# KiCad board 4-ch-backplane.kicad_pcb (continued)
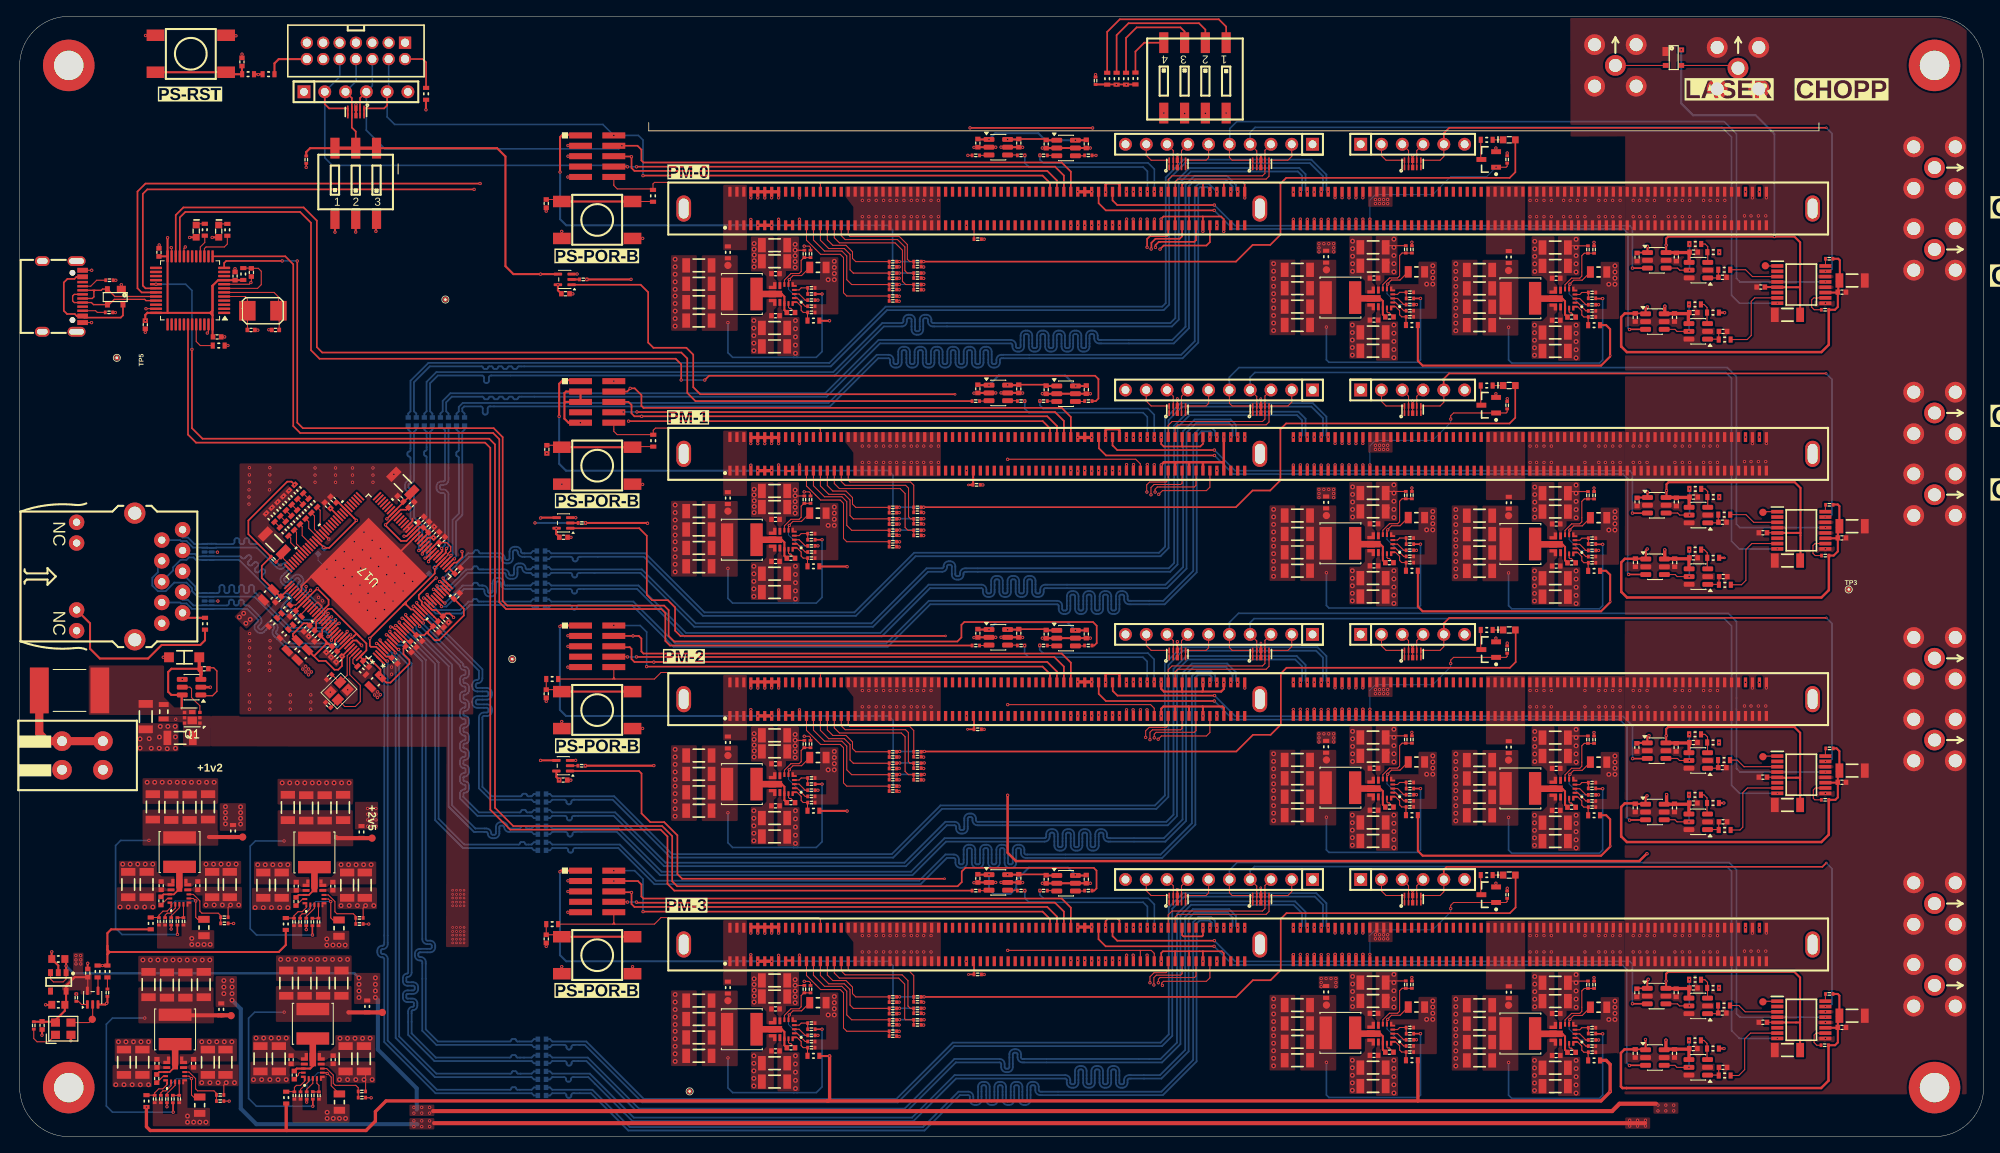
[diagram p0: board, top side]
## Routing (per net, layer and track width the routed paths; a pad name or vN(x,y) marks a point on that pad's centre or on a via; arc(x,y) is an arc through that point) (continued)
Net-(U24-SYNC/FSEL): length 3.3
  Top Layer w0.12: R121.2 191.67,70.16 R124.2 191.15,70.19 190.9,70.44 190.9,70.94 190.4,71.44 U24.1
Net-(U25-BOOT): length 1.5
  Top Layer w0.12: U25.14 93.95,71.36 94.07,71.25 94.24,71.25 C166.2
Net-(U25-BP5): length 9.5
  Top Layer w0.12: C46.2 95.55,75.25 94.5,75.25 93.95,74.7 U25.6 ; R53.2 v1(97.55,72.25)
  Bottom Layer w0.12: v1(97.55,72.25) 95.28,72.25 93.95,73.58 93.95,74.65 v1(94.05,74.75)
Net-(U25-EN): length 5.6
  Top Layer w0.12: U25.7 93.45,74.7 94.25,75.5 95.25,75.5 95.5,75.75 95.5,77.11 95.84,77.45 ; R21.2 R43.1
Net-(U25-PGOOD): length 1.9
  Top Layer w0.12: R53.1 96,72.25 95.25,73 U25.3
Net-(U25-SYNC/FSEL): length 3.3
  Top Layer w0.12: U25.1 95,72 95.5,71.5 95.5,71 95.75,70.75 R125.2 96.28,70.72 R132.2
Net-(U27-B): length 6.4
  Top Layer w0.12: v1(203.99,38.5) 202.52,38.5 202.27,38.75 U27.4
  Bottom Layer w0.2: 204,41.79 204,38.5
  vias: v1(204,41.8)
Net-(U28-B): length 6.1
  Top Layer w0.12: R163.2 v1(204.04,49.2) ; U28.4 202.59,46.25 202.84,46 U29.5
  Bottom Layer w0.2: 204.04,46 204.04,49.2
  vias: v1(204.04,46)
Net-(U29-+): length 2.9
  Top Layer w0.12: R163.1 205.94,49.2 206.26,48.88 U29.3
Net-(U29--): length 2.3
  Top Layer w0.12: R229.2 207.55,45.14 C332.2 207.49,45.05 U29.1 ; 207.61,45.92 207.64,45.95
Net-(U30-BOOT): length 1.5
  Top Layer w0.12: U30.14 167.09,40.94 167.2,40.82 167.37,40.82 C246.2
Net-(U30-BP5): length 9.5
  Top Layer w0.12: R181.2 v1(170.69,41.82) ; U30.6 167.09,44.27 167.64,44.82 168.69,44.82 C253.2
  Bottom Layer w0.12: v1(170.69,41.82) 168.42,41.82 167.09,43.15 167.09,44.22 v1(167.19,44.32)
Net-(U30-EN): length 7.1
  Top Layer w0.12: R180.2 R175.1 168.94,48.12 168.64,47.82 168.64,45.32 168.39,45.07 167.39,45.07 166.59,44.27 U30.7
Net-(U30-PGOOD): length 1.9
  Top Layer w0.12: U30.3 168.39,42.57 169.14,41.82 R181.1
Net-(U30-SYNC/FSEL): length 3.3
  Top Layer w0.12: U30.1 168.14,41.57 168.64,41.07 168.64,40.57 168.89,40.32 R169.2 169.41,40.29 R167.2
Net-(U31-BOOT): length 1.5
  Top Layer w0.12: U31.14 189.35,40.92 189.46,40.8 189.63,40.8 C247.2
Net-(U31-BP5): length 9.5
  Top Layer w0.12: C249.2 190.95,44.8 189.9,44.8 189.35,44.25 U31.6 ; R182.2 v1(192.95,41.8)
  Bottom Layer w0.12: v1(192.95,41.8) 190.68,41.8 189.35,43.13 189.35,44.2 v1(189.45,44.3)
Net-(U31-EN): length 7.1
  Top Layer w0.12: U31.7 188.85,44.25 189.65,45.05 190.65,45.05 190.9,45.3 190.9,47.8 191.2,48.1 R176.1 R178.2
Net-(U31-PGOOD): length 1.9
  Top Layer w0.12: U31.3 190.65,42.55 191.4,41.8 R182.1
Net-(U31-SYNC/FSEL): length 3.3
  Top Layer w0.12: U31.1 190.4,41.55 190.9,41.05 190.9,40.55 191.15,40.3 R170.2 191.67,40.27 R168.2
Net-(U32-BOOT): length 1.5
  Top Layer w0.12: U32.14 93.95,41.48 94.07,41.36 94.24,41.36 C248.2
Net-(U32-BP5): length 9.5
  Top Layer w0.12: R183.2 v1(97.55,42.36) ; C250.2 95.55,45.36 94.5,45.36 93.95,44.81 U32.6
  Bottom Layer w0.12: v1(94.05,44.86) 93.95,44.76 93.95,43.69 95.28,42.36 v1(97.55,42.36)
Net-(U32-EN): length 5.6
  Top Layer w0.12: 95.84,47.56 95.5,47.22 95.5,45.86 95.25,45.61 94.25,45.61 93.45,44.81 U32.7 ; R179.2 R177.1
Net-(U32-PGOOD): length 1.9
  Top Layer w0.12: U32.3 95.25,43.11 96,42.36 R183.1
Net-(U32-SYNC/FSEL): length 3.3
  Top Layer w0.12: R166.2 96.28,40.83 R171.2 95.75,40.86 95.5,41.11 95.5,41.61 95,42.11 U32.1
Net-(U33-B): length 6.4
  Top Layer w0.12: U33.4 202.27,8.72 202.52,8.47 v1(203.99,8.47)
  Bottom Layer w0.12: 204,8.49 v1(203.99,8.47)
  Bottom Layer w0.2: v1(204,11.78) 204,8.49
Net-(U34-B): length 6.1
  Top Layer w0.12: U34.4 202.59,16.24 202.84,15.99 U35.5 ; R201.2 v1(204.04,19.19)
  Bottom Layer w0.2: 204.04,16 204.04,19.2
  vias: v1(204.04,15.99)
Net-(U35-+): length 2.9
  Top Layer w0.12: U35.3 206.26,18.86 205.94,19.19 R201.1
Net-(U35--): length 2.3
  Top Layer w0.12: U35.1 207.49,15.04 C333.2 207.55,15.13 R230.2 ; 207.61,15.91 207.64,15.94
Net-(U36-BOOT): length 1.5
  Top Layer w0.12: U36.14 167.09,10.96 167.2,10.84 167.37,10.84 C291.2
Net-(U36-BP5): length 9.5
  Top Layer w0.12: R219.2 v1(170.69,11.84) ; C296.2 168.69,14.84 167.64,14.84 167.09,14.29 U36.6
  Bottom Layer w0.12: v1(167.19,14.34) 167.09,14.24 167.09,13.17 168.42,11.84 v1(170.69,11.84)
Net-(U36-EN): length 7.1
  Top Layer w0.12: U36.7 166.59,14.29 167.39,15.09 168.39,15.09 168.64,15.34 168.64,17.84 168.94,18.14 R213.1 R218.2
Net-(U36-PGOOD): length 1.9
  Top Layer w0.12: R219.1 169.14,11.84 168.39,12.59 U36.3
Net-(U36-SYNC/FSEL): length 3.3
  Top Layer w0.12: U36.1 168.14,11.59 168.64,11.09 168.64,10.59 168.89,10.34 R207.2 169.41,10.32 R205.2
Net-(U37-BOOT): length 1.5
  Top Layer w0.12: U37.14 189.35,10.94 189.46,10.82 189.63,10.82 C292.2
Net-(U37-BP5): length 9.5
  Top Layer w0.12: R220.2 v1(192.95,11.82) ; U37.6 189.35,14.27 189.9,14.82 190.95,14.82 C294.2
  Bottom Layer w0.12: v1(189.45,14.32) 189.35,14.22 189.35,13.15 190.68,11.82 v1(192.95,11.82)
Net-(U37-EN): length 7.1
  Top Layer w0.12: R216.2 R214.1 191.2,18.12 190.9,17.82 190.9,15.32 190.65,15.07 189.65,15.07 188.85,14.27 U37.7
Net-(U37-PGOOD): length 1.9
  Top Layer w0.12: U37.3 190.65,12.57 191.4,11.82 R220.1
Net-(U37-SYNC/FSEL): length 3.3
  Top Layer w0.12: R206.2 191.67,10.3 R208.2 191.15,10.32 190.9,10.57 190.9,11.07 190.4,11.57 U37.1
Net-(U38-BOOT): length 1.5
  Top Layer w0.12: C293.2 94.24,11.38 94.07,11.38 93.95,11.5 U38.14
Net-(U38-BP5): length 9.5
  Top Layer w0.12: C295.2 95.55,15.38 94.5,15.38 93.95,14.83 U38.6 ; R221.2 v1(97.55,12.38)
  Bottom Layer w0.12: v1(97.55,12.38) 95.28,12.38 93.95,13.72 93.95,14.79 v1(94.05,14.88)
Net-(U38-EN): length 5.6
  Top Layer w0.12: R217.2 R215.1 ; U38.7 93.45,14.83 94.25,15.63 95.25,15.63 95.5,15.88 95.5,17.24 95.84,17.59
Net-(U38-PGOOD): length 1.9
  Top Layer w0.12: R221.1 96,12.38 95.25,13.13 U38.3
Net-(U38-SYNC/FSEL): length 3.3
  Top Layer w0.12: R204.2 96.28,10.86 R209.2 95.75,10.88 95.5,11.13 95.5,11.63 95,12.13 U38.1
Net-(U39-A): length 1
  Top Layer w0.25: R318.2 U39.2
Net-(U40-A): length 1
  Top Layer w0.2: R319.2 U40.2
Net-(U41-A): length 1
  Top Layer w0.12: R320.2 U41.2
Net-(U42-RESET): length 8.7
  Top Layer w0.12: U42.7 29.07,103.74 29.53,104.19 29.53,105.83 29.16,106.19 28.32,106.19 C318.2 28.28,106.21 R140.1
Net-(U42-RX_S): length 2.8
  Top Layer w0.12: R302.1 22.62,109.35 22.07,108.8 U42.16
Net-(U42-TEST): length 4.3
  Top Layer w0.12: R8.2 22.07,96.74 21.57,97.24 U42.44
Net-(U42-TX_S): length 5
  Top Layer w0.12: R301.1 25.38,109.17 25.01,108.8 22.78,108.8 22.57,108.6 U42.15
Net-(U42-UD+): length 12.6
  Top Layer w0.158: USB2.A6 6.67,103 6.47,102.8 6.47,102.2 6.67,102 USB2.B6 8.78,102 9.03,101.75 U51.3 10.93,101.75 11.56,102.39 15.29,102.39 15.44,102.24 U42.33 16.66,102.24
Net-(U42-UD-): length 11.9
  Top Layer w0.158: 8.97,103.5 9.17,103.5 ; 8.97,103.5 USB2.B7 ; 8.97,103.5 9.08,103.4 ; 9.17,103.5 9.08,103.4 ; 9.17,103.5 9.97,103.5 10.12,103.65 U51.2 11.63,102.74 U42.32 ; 9.08,103.4 9.08,102.7 8.88,102.5 USB2.A7
Net-(U42-XI): length 6.8
  Top Layer w0.12: C316.2 27.84,100.99 X1.1 27.82,102.5 27.59,102.74 U42.5
Net-(U42-XO): length 10.9
  Top Layer w0.12: C317.2 31.72,100.91 X1.2 31.62,102.7 31.09,103.24 U42.6
Net-(U43-+): length 2.9
  Top Layer w0.12: U43.3 206.2,99.49 R22.2 206.2,101.4 205.82,101.77 R231.1
Net-(U43--): length 2.4
  Top Layer w0.12: U43.1 207.55,97.52 207.62,97.45 ; R193.2 207.63,98.45 C326.2
Net-(U44-+): length 2.9
  Top Layer w0.12: U44.3 206.23,69.5 R35.2 206.23,71.41 205.85,71.79 R232.1
Net-(U44--): length 2.4
  Top Layer w0.12: C327.2 207.66,68.46 R194.2 ; 207.65,67.46 207.57,67.54 U44.1
Net-(U44-OUT): length 6.4
  Top Layer w0.12: v1(204.01,68.49) 202.55,68.49 202.3,68.74 U6.4
  Bottom Layer w0.2: 204.04,71.78 204.04,68.49
  vias: v1(204.02,71.79)
Net-(U45-+): length 2.9
  Top Layer w0.12: U45.3 206.2,39.51 R165.2 206.2,41.42 205.82,41.8 R233.1
Net-(U45--): length 2.4
  Top Layer w0.12: R225.2 207.63,38.47 C328.2 ; U45.1 207.55,37.55 207.62,37.47
Net-(U46-+): length 2.9
  Top Layer w0.12: U46.3 206.2,9.49 R203.2 206.2,11.4 205.82,11.78 R234.1
Net-(U46--): length 2.4
  Top Layer w0.12: C329.2 207.63,8.45 R226.2 ; 207.62,7.45 207.55,7.53 U46.1
Net-(U47-GAIN): length 4.1
  Top Layer w0.12: R47.1 219.3,101.12 218.99,101.43 218.99,102.32 219.24,102.57 U47.10 220.74,102.5
Net-(U47-RSTSEL): length 0.9
  Top Layer w0.12: 220.69,106.5 U47.16 220.68,106.49 R156.1
Net-(U47-VREF): length 1.8
  Top Layer w0.12: U47.1 213.4,106.47 213.32,106.4 213.02,106.4
Net-(U48-GAIN): length 3.8
  Top Layer w0.12: 220.74,72.45 U48.10 219.39,72.53 219.14,72.28 219.14,71.33 219.42,71.06 R128.1
Net-(U48-RSTSEL): length 0.9
  Top Layer w0.12: 220.69,76.45 220.66,76.42 220.66,77.24 R187.1
Net-(U48-VREF): length 1.8
  Top Layer w0.12: 214.79,76.42 213.4,76.42 213.32,76.35 TP25.1
Net-(U49-GAIN): length 3.8
  Top Layer w0.12: R154.1 219.37,41.19 219.19,41.37 219.19,42.39 219.43,42.64 U49.10 220.74,42.56
Net-(U49-RSTSEL): length 1
  Top Layer w0.12: 220.69,46.56 U49.16 220.66,47.43 R188.1
Net-(U49-VREF): length 1.8
  Top Layer w0.12: U49.1 213.4,46.54 213.32,46.46 TP26.1
Net-(U50-GAIN): length 3.5
  Top Layer w0.12: R155.1 219.61,11.18 219.29,11.5 219.29,12.41 219.54,12.66 U50.10 220.74,12.59
Net-(U50-RSTSEL): length 0.9
  Top Layer w0.12: R192.1 220.66,17.43 U50.16 220.69,16.59
Net-(U50-VREF): length 1.8
  Top Layer w0.12: TP27.1 213.32,16.49 213.4,16.56 U50.1
Net-(U52-A): length 1.2
  Top Layer w0.12: R303.2 118.41,120 U52.3
Net-(U52-B): length 1.2
  Top Layer w0.12: U52.4 121.89,120.05 121.94,120
Net-(U53-A): length 1.2
  Top Layer w0.12: U53.3 126.69,120 R305.1
Net-(U53-B): length 1.2
  Top Layer w0.12: U53.4 130.09,119.95 R304.2
Net-(U54-A): length 1.2
  Top Layer w0.12: U54.3 118.41,89.95 R308.2
Net-(U54-B): length 1.2
  Top Layer w0.12: 121.94,89.95 121.89,90 U54.4
Net-(U55-A): length 1.2
  Top Layer w0.12: R307.1 126.69,89.95 U55.3
Net-(U55-B): length 1.2
  Top Layer w0.12: U55.4 130.09,89.9 R309.2
Net-(U56-A): length 1.2
  Top Layer w0.12: R312.2 118.41,60.06 U56.3
Net-(U56-B): length 1.2
  Top Layer w0.12: 121.94,60.06 121.89,60.11 U56.4
Net-(U57-A): length 1.2
  Top Layer w0.12: R311.1 126.69,60.06 U57.3
Net-(U57-B): length 1.2
  Top Layer w0.12: R313.2 130.09,60.01 U57.4
Net-(U58-A): length 1.2
  Top Layer w0.12: U58.3 118.41,30.09 R316.2
Net-(U58-B): length 1.2
  Top Layer w0.12: U58.4 121.89,30.14 121.94,30.09
Net-(U59-A): length 1.2
  Top Layer w0.12: R315.1 126.69,30.09 U59.3
Net-(U59-B): length 1.2
  Top Layer w0.12: U59.4 130.09,30.04 R317.2
Net-(USB2-CC1): length 3.1
  Top Layer w0.12: R242.2 9.42,104.73 8.69,104 USB2.A5
Net-(USB2-CC2): length 2.9
  Top Layer w0.12: USB2.B5 9.28,101 9.48,100.8 R243.2
Net-(Y1-OE): length 4.3
  Top Layer w0.12: Y1.1 3.53,11.6 2.12,11.6 1.72,12 R23.1

## Copper pours and planes (outline as drawn; the poured copper is in the pictures)
+1V2 on Top Layer, In1.Cu: 32.4,60.48 36.07,56.82 35.32,56.07 31.65,59.73
+1V2 on Top Layer, In1.Cu: 27.65,37.4 27.65,40.78 24.45,40.78 24.45,37.4
+1V8 on Top Layer, Bottom Layer: 47.62,2.28 50.68,2.28 50.68,0.88 47.62,0.88
+1V8 on Top Layer, In1.Cu: 26.55,15.84 26.55,19.64 23.95,19.64 23.95,15.84
+1V8 on Top Layer, In1.Cu: 196.2,2.35 199.25,2.35 199.25,0.95 196.2,0.95
+1V8 on Top Layer, In1.Cu: 29.32,66.68 30.81,65.19 27.73,62.1 26.24,63.59
+1V8 on In1.Cu: -130.83,-10.68 -129.08,-10.68 -129.08,-1.08 -130.83,-1.08
+2V5 on Top Layer, In1.Cu: 41.74,54.96 42.68,55.94 44.7,54.02 43.77,53.04
+2V5 on Top Layer, In1.Cu: 43.81,37.57 43.81,40.94 40.97,40.94 40.97,37.57
+3v3 on Top Layer: 8.81,19.9 8.81,17.39 7.44,17.39 7.44,17.88 5.17,17.88 5.17,18.51 6.55,19.88
+3v3 on Top Layer, In1.Cu: 6.55,19.88 7.8,19.88 7.8,22.49 6.54,22.49
+5V on Top Layer, Bottom Layer: 47.62,3.92 50.68,3.92 50.68,2.53 47.62,2.53
+5V on Top Layer, In1.Cu: 44.07,16.22 44.07,20.02 40.87,20.02 40.87,16.22
+5V on Top Layer, In1.Cu: 199.65,4.2 202.7,4.2 202.7,2.8 199.65,2.8
GND on Top Layer: 31.51,43.76 40.76,43.76 40.76,40.61 31.51,40.61
GND on Top Layer: 152.74,8.09 152.74,17.34 155.89,17.34 155.89,8.09
GND on Top Layer: 237.93,137.34 237.93,5.17 196.11,5.17 196.19,122.32 189.51,122.3 189.48,137.67
GND on Top Layer: 175,97.99 175,107.24 178.15,107.24 178.15,97.99
GND on Top Layer: 152.74,98.01 152.74,107.26 155.89,107.26 155.89,98.01
GND on Top Layer: 184.27,50.86 213.68,50.86 213.68,53.46 210.38,53.46 210.38,56.36 184.27,56.36
GND on Top Layer: 187.88,101.89 186.65,101.89 186.65,100.34 186.05,99.74 184.75,99.74 184.75,95.12 187.55,95.12 187.55,100.54 187.88,100.87
GND on Top Layer: 187.88,71.84 186.65,71.84 186.65,70.29 186.05,69.69 184.75,69.69 184.75,65.07 187.55,65.07 187.55,70.49 187.88,70.82
GND on Top Layer: 96.75,40.61 96.75,41.86 98.55,41.86 98.55,43.61 96.75,43.61 96.75,44.23 94.3,44.23 94.3,44.86 97.8,44.86 97.8,47.61 100.05,47.61 100.05,40.61
GND on Top Layer: 92.48,102.45 91.26,102.45 91.26,100.9 90.66,100.3 89.36,100.3 89.36,95.68 92.16,95.68 92.16,101.1 92.48,101.43
GND on Top Layer: 79.6,68.5 79.6,77.75 82.75,77.75 82.75,68.5
GND on Top Layer: 175,67.94 175,77.19 178.15,77.19 178.15,67.94
GND on Top Layer: 187.88,11.98 186.65,11.98 186.65,10.43 186.05,9.83 184.75,9.83 184.75,5.2 187.55,5.2 187.55,10.63 187.88,10.95
GND on Top Layer: 112.57,26.29 112.57,20.89 101.88,20.89 101.88,23.79 100.88,25.09 100.88,26.29
GND on Top Layer: 112.57,56.26 112.57,50.86 101.88,50.86 101.88,53.76 100.88,55.06 100.88,56.26
GND on Top Layer: 112.57,116.2 112.57,110.8 101.88,110.8 101.88,113.7 100.88,115 100.88,116.2
GND on Top Layer: 20.05,30.6 20.05,31.82 21.6,31.82 22.2,32.42 22.2,33.72 27.07,33.72 27.07,30.92 21.4,30.92 21.07,30.6
GND on Top Layer: 36.55,30.53 36.55,31.75 38.1,31.75 38.7,32.35 38.7,33.65 43.57,33.65 43.57,30.85 37.9,30.85 37.57,30.53
GND on Top Layer: 169.89,10.09 169.89,11.34 171.69,11.34 171.69,13.09 169.89,13.09 169.89,13.71 167.44,13.71 167.44,14.34 170.94,14.34 170.94,17.09 173.19,17.09 173.19,10.09
GND on Top Layer: 165.62,41.97 164.39,41.97 164.39,40.42 163.79,39.82 162.49,39.82 162.49,35.2 165.29,35.2 165.29,40.62 165.62,40.95
GND on Top Layer: 187.88,41.95 186.65,41.95 186.65,40.4 186.05,39.8 184.75,39.8 184.75,35.18 187.55,35.18 187.55,40.6 187.88,40.93
GND on Top Layer: 16.78,26.3 18.03,26.3 18.03,24.5 19.78,24.5 19.78,26.3 20.4,26.3 20.4,28.75 21.03,28.75 21.03,25.25 23.78,25.25 23.78,23 16.78,23
GND on Top Layer: 165.62,71.86 164.39,71.86 164.39,70.31 163.79,69.71 162.49,69.71 162.49,65.09 165.29,65.09 165.29,70.51 165.62,70.84
GND on Top Layer: 79.6,98.55 79.6,107.8 82.75,107.8 82.75,98.55
GND on Top Layer: 112.57,86.15 112.57,80.75 101.88,80.75 101.88,83.65 100.88,84.95 100.88,86.15
GND on Top Layer: 26.88,82.32 55.43,82.32 55.43,51.62 26.88,51.62
GND on Top Layer: 18.91,30.6 18.91,31.83 17.36,31.83 16.76,32.43 16.76,33.73 12.13,33.73 12.13,30.93 17.56,30.93 17.88,30.6
GND on Top Layer: 92.48,12.54 91.26,12.54 91.26,10.99 90.66,10.39 89.36,10.39 89.36,5.77 92.16,5.77 92.16,11.19 92.48,11.52
GND on Top Layer: 18.39,8.88 18.39,10.1 16.84,10.1 16.24,10.7 16.24,12 11.61,12 11.61,9.2 17.04,9.2 17.36,8.88
GND on Top Layer: 96.75,10.63 96.75,11.88 98.55,11.88 98.55,13.63 96.75,13.63 96.75,14.25 94.3,14.25 94.3,14.88 97.8,14.88 97.8,17.63 100.05,17.63 100.05,10.63
GND on Top Layer: 31.32,22.17 40.57,22.17 40.57,19.03 31.32,19.03
GND on Top Layer: 187.88,13.17 186.65,13.17 186.65,14.72 186.05,15.32 184.75,15.32 184.75,20.19 187.55,20.19 187.55,14.52 187.88,14.19
GND on Top Layer: 92.48,72.4 91.26,72.4 91.26,70.85 90.66,70.25 89.36,70.25 89.36,65.63 92.16,65.63 92.16,71.05 92.48,71.38
GND on Top Layer: 169.89,69.96 169.89,71.21 171.69,71.21 171.69,72.96 169.89,72.96 169.89,73.57 167.44,73.57 167.44,74.21 170.94,74.21 170.94,76.96 173.19,76.96 173.19,69.96
GND on Top Layer: 175,38.05 175,47.3 178.15,47.3 178.15,38.05
GND on Top Layer: 16.26,4.57 17.51,4.57 17.51,2.77 19.26,2.77 19.26,4.57 19.88,4.57 19.88,7.02 20.51,7.02 20.51,3.52 23.26,3.52 23.26,1.27 16.26,1.27
GND on Top Layer: 33.28,26.22 34.53,26.22 34.53,24.42 36.28,24.42 36.28,26.22 36.9,26.22 36.9,28.68 37.53,28.67 37.53,25.17 40.28,25.17 40.28,22.92 33.28,22.92
GND on Top Layer: 165.62,43.17 164.39,43.17 164.39,44.72 163.79,45.32 162.49,45.32 162.49,50.19 165.29,50.19 165.29,44.52 165.62,44.19
GND on Top Layer: 92.48,42.52 91.26,42.52 91.26,40.97 90.66,40.37 89.36,40.37 89.36,35.74 92.16,35.74 92.16,41.17 92.48,41.49
GND on Top Layer: 169.89,100.01 169.89,101.26 171.69,101.26 171.69,103.01 169.89,103.01 169.89,103.62 167.44,103.62 167.44,104.26 170.94,104.26 170.94,107.01 173.19,107.01 173.19,100.01
GND on Top Layer: 92.48,73.59 91.26,73.59 91.26,75.14 90.66,75.74 89.36,75.74 89.36,80.03 92.16,80.03 92.16,74.94 92.48,74.62
GND on Top Layer: 33.32,5.03 34.57,5.03 34.57,3.22 36.32,3.22 36.32,5.03 36.94,5.03 36.94,7.48 37.57,7.47 37.57,3.97 40.32,3.97 40.32,1.72 33.32,1.72
GND on Top Layer: 165.62,103.1 164.39,103.1 164.39,104.65 163.79,105.25 162.49,105.25 162.49,110.13 165.29,110.13 165.29,104.45 165.62,104.13
GND on Top Layer: 192.15,69.94 192.15,71.19 193.95,71.19 193.95,72.94 192.15,72.94 192.15,73.55 189.7,73.55 189.7,74.19 193.2,74.19 193.2,76.94 195.45,76.94 195.45,69.94
GND on Top Layer: 192.15,99.99 192.15,101.24 193.95,101.24 193.95,102.99 192.15,102.99 192.15,103.6 189.7,103.6 189.7,104.24 193.2,104.24 193.2,106.99 195.45,106.99 195.45,99.99
GND on Top Layer: 96.75,70.5 96.75,71.75 98.55,71.75 98.55,73.5 96.75,73.5 96.75,74.11 94.3,74.12 94.3,74.75 97.8,74.75 97.8,77.5 100.05,77.5 100.05,70.5
GND on Top Layer: 79.6,38.61 79.6,47.86 82.75,47.86 82.75,38.61
GND on Top Layer: 92.48,13.73 91.26,13.73 91.26,15.28 90.66,15.88 89.36,15.88 89.36,20.17 92.16,20.17 92.16,15.08 92.48,14.76
GND on Top Layer: 187.88,73.03 186.65,73.03 186.65,74.58 186.05,75.18 184.75,75.18 184.75,80.06 187.55,80.06 187.55,74.38 187.88,74.06
GND on Top Layer: 79.6,8.63 79.6,17.88 82.75,17.88 82.75,8.63
GND on Top Layer: 165.62,13.19 164.39,13.19 164.39,14.74 163.79,15.34 162.49,15.34 162.49,20.22 165.29,20.22 165.29,14.54 165.62,14.22
GND on Top Layer: 15.01,43.83 24.26,43.83 24.26,40.68 15.01,40.68
GND on Top Layer: 92.48,103.64 91.26,103.64 91.26,105.19 90.66,105.79 89.36,105.79 89.36,110.08 92.16,110.08 92.16,104.99 92.48,104.67
GND on Top Layer: 175,8.07 175,17.32 178.15,17.32 178.15,8.07
GND on Top Layer: 165.62,12 164.39,12 164.39,10.45 163.79,9.85 162.49,9.85 162.49,5.22 165.29,5.22 165.29,10.65 165.62,10.97
GND on Top Layer: 36.42,9.29 36.42,10.52 37.97,10.52 38.57,11.12 38.57,12.42 43.45,12.42 43.45,9.62 37.77,9.62 37.45,9.29
GND on Top Layer: 184.27,20.89 213.68,20.89 213.68,23.49 210.38,23.49 210.38,26.39 184.27,26.39
GND on Top Layer: 19.41,47.12 19.41,50.57 14.23,50.57 14.23,47.12
GND on Top Layer: 169.89,40.07 169.89,41.32 171.69,41.32 171.69,43.07 169.89,43.07 169.89,43.69 167.44,43.69 167.44,44.32 170.94,44.32 170.94,47.07 173.19,47.07 173.19,40.07
GND on Top Layer: 187.88,103.08 186.65,103.08 186.65,104.63 186.05,105.23 184.75,105.23 184.75,110.11 187.55,110.11 187.55,104.43 187.88,104.11
GND on Top Layer: 35.41,30.53 35.41,31.76 33.86,31.76 33.26,32.36 33.26,33.66 28.64,33.66 28.64,30.86 34.06,30.86 34.39,30.53
GND on Top Layer: 152.74,67.96 152.74,77.21 155.89,77.21 155.89,67.96
GND on Top Layer: 96.75,100.55 96.75,101.8 98.55,101.8 98.55,103.55 96.75,103.55 96.75,104.16 94.3,104.17 94.3,104.8 97.8,104.8 97.8,107.55 100.05,107.55 100.05,100.55
GND on Top Layer: 184.27,110.8 213.68,110.8 213.68,113.4 210.38,113.4 210.38,116.3 184.27,116.3
GND on Top Layer: 14.49,22.11 23.74,22.11 23.74,18.96 14.49,18.96
GND on Top Layer: 35.23,9.3 35.23,10.52 33.68,10.52 33.08,11.12 33.08,12.42 28.46,12.42 28.46,9.62 33.88,9.62 34.21,9.3
GND on Top Layer: 165.62,101.91 164.39,101.91 164.39,100.36 163.79,99.76 162.49,99.76 162.49,95.14 165.29,95.14 165.29,100.56 165.62,100.89
GND on Top Layer: 184.27,80.75 213.68,80.75 213.68,83.35 210.38,83.35 210.38,86.25 184.27,86.25
GND on Top Layer: 165.62,73.05 164.39,73.05 164.39,74.6 163.79,75.2 162.49,75.2 162.49,80.08 165.29,80.08 165.29,74.4 165.62,74.08
GND on Top Layer: 187.88,43.15 186.65,43.15 186.65,44.7 186.05,45.3 184.75,45.3 184.75,50.17 187.55,50.17 187.55,44.5 187.88,44.17
GND on Top Layer: 192.15,10.07 192.15,11.32 193.95,11.32 193.95,13.07 192.15,13.07 192.15,13.69 189.7,13.69 189.7,14.32 193.2,14.32 193.2,17.07 195.45,17.07 195.45,10.07
GND on Top Layer: 92.48,43.71 91.26,43.71 91.26,45.26 90.66,45.86 89.36,45.86 89.36,50.14 92.16,50.14 92.16,45.06 92.48,44.73
GND on Top Layer: 192.15,40.05 192.15,41.3 193.95,41.3 193.95,43.05 192.15,43.05 192.15,43.67 189.7,43.67 189.7,44.3 193.2,44.3 193.2,47.05 195.45,47.05 195.45,40.05
GND on Top Layer: 152.74,38.07 152.74,47.32 155.89,47.32 155.89,38.07
GND on Top Layer: 19.53,8.87 19.53,10.09 21.08,10.09 21.68,10.69 21.68,11.99 26.55,11.99 26.55,9.19 20.88,9.19 20.55,8.87
GND on In1.Cu: -1.62,138.8 239.76,138.7 239.7,-1.55 -1.62,-1.55
GND on In2.Cu: -1.98,-3.74 143.82,-2.85 241.18,-2.9 240.69,141.94 -2.87,141.96
/TOP_LEVEL_IO/HOUSE_POWER/TPS543320_BUCK_1V2/L- on Top Layer: 15.02,35.58 24.27,35.58 24.27,39.98 15.02,39.98
/TOP_LEVEL_IO/HOUSE_POWER/TPS543320_BUCK_1V8/L- on Top Layer: 14.5,13.86 23.75,13.86 23.75,18.26 14.5,18.26
/TOP_LEVEL_IO/HOUSE_POWER/TPS543320_BUCK_2V5/L- on Top Layer: 31.52,35.51 40.77,35.51 40.77,39.91 31.52,39.91
/TOP_LEVEL_IO/HOUSE_POWER/TPS543620_BUCK_5V0_HOUSE/L- on Top Layer: 31.31,14.03 40.56,14.03 40.56,18.42 31.31,18.42
/TOP_LEVEL_IO/SPEEDY_PM__INST1/PM__2V4 on Top Layer: 167.77,86.15 164.77,86.15 164.77,83.65 167.77,83.65
/TOP_LEVEL_IO/SPEEDY_PM__INST1/PM__2V4 on Top Layer, In1.Cu: 158.48,77.95 160.88,77.95 160.88,79.45 158.48,79.45
/TOP_LEVEL_IO/SPEEDY_PM__INST1/PM__2V4 on In1.Cu: 158.68,77.6 161.07,77.6 161.07,80.2 167.98,80.2 167.98,85.8 164.98,85.8 164.98,81.1 158.67,81.1
/TOP_LEVEL_IO/SPEEDY_PM__INST1/PM__5V_CONN on Top Layer: 85.97,78.35 85.97,86.45 88.88,86.45 88.88,78.35
/TOP_LEVEL_IO/SPEEDY_PM__INST1/PM__5V_PGA on Top Layer: 179.18,86.25 183.98,86.25 183.98,77.85 179.18,77.85
/TOP_LEVEL_IO/SPEEDY_PM__INST1/PWR/TPS543620_BUCK_2V4/L- on Top Layer: 160.89,67.94 160.89,77.19 156.49,77.19 156.49,67.94
/TOP_LEVEL_IO/SPEEDY_PM__INST1/PWR/TPS543620_BUCK_5V0_CONN/L- on Top Layer: 87.75,68.48 87.75,77.73 83.35,77.73 83.35,68.48
/TOP_LEVEL_IO/SPEEDY_PM__INST1/PWR/TPS543620_BUCK_5V0_PGA/L- on Top Layer: 183.15,67.92 183.15,77.17 178.75,77.17 178.75,67.92
/TOP_LEVEL_IO/SPEEDY_PM__INST2/PM__2V4 on Top Layer: 167.77,56.26 164.77,56.26 164.77,53.76 167.77,53.76
/TOP_LEVEL_IO/SPEEDY_PM__INST2/PM__2V4 on Top Layer, In1.Cu: 158.48,48.06 160.88,48.06 160.88,49.56 158.48,49.56
/TOP_LEVEL_IO/SPEEDY_PM__INST2/PM__2V4 on In1.Cu: 158.77,47.69 161.18,47.69 161.18,50.29 168.07,50.29 168.07,55.89 165.07,55.89 165.07,51.19 158.77,51.19
/TOP_LEVEL_IO/SPEEDY_PM__INST2/PM__5V_CONN on Top Layer: 85.97,48.46 85.97,56.56 88.88,56.56 88.88,48.46
/TOP_LEVEL_IO/SPEEDY_PM__INST2/PM__5V_PGA on Top Layer: 179.18,56.36 183.98,56.36 183.98,47.96 179.18,47.96
/TOP_LEVEL_IO/SPEEDY_PM__INST2/PWR/TPS543620_BUCK_2V4/L- on Top Layer: 160.89,38.05 160.89,47.3 156.49,47.3 156.49,38.05
/TOP_LEVEL_IO/SPEEDY_PM__INST2/PWR/TPS543620_BUCK_5V0_CONN/L- on Top Layer: 87.75,38.59 87.75,47.84 83.35,47.84 83.35,38.59
/TOP_LEVEL_IO/SPEEDY_PM__INST2/PWR/TPS543620_BUCK_5V0_PGA/L- on Top Layer: 183.15,38.03 183.15,47.28 178.75,47.28 178.75,38.03
/TOP_LEVEL_IO/SPEEDY_PM__INST3/PM__2V4 on Top Layer: 167.77,26.29 164.77,26.29 164.77,23.79 167.77,23.79
/TOP_LEVEL_IO/SPEEDY_PM__INST3/PM__2V4 on Top Layer, In1.Cu: 158.75,18.14 161.14,18.14 161.14,19.64 158.75,19.64
/TOP_LEVEL_IO/SPEEDY_PM__INST3/PM__2V4 on In1.Cu: 158.75,17.76 161.15,17.76 161.15,20.36 168.05,20.36 168.05,25.96 165.05,25.96 165.05,21.26 158.75,21.26
/TOP_LEVEL_IO/SPEEDY_PM__INST3/PM__5V_CONN on Top Layer: 85.97,18.49 85.97,26.59 88.88,26.59 88.88,18.49
/TOP_LEVEL_IO/SPEEDY_PM__INST3/PM__5V_PGA on Top Layer: 179.18,26.39 183.98,26.39 183.98,17.99 179.18,17.99
/TOP_LEVEL_IO/SPEEDY_PM__INST3/PWR/TPS543620_BUCK_2V4/L- on Top Layer: 160.89,8.08 160.89,17.33 156.49,17.33 156.49,8.08
/TOP_LEVEL_IO/SPEEDY_PM__INST3/PWR/TPS543620_BUCK_5V0_CONN/L- on Top Layer: 87.75,8.62 87.75,17.87 83.35,17.87 83.35,8.62
/TOP_LEVEL_IO/SPEEDY_PM__INST3/PWR/TPS543620_BUCK_5V0_PGA/L- on Top Layer: 183.15,8.06 183.15,17.31 178.75,17.31 178.75,8.06
/TOP_LEVEL_IO/SPEEDY_PM__INST/PM__2V4 on Top Layer: 167.77,116.2 164.77,116.2 164.77,113.7 167.77,113.7
/TOP_LEVEL_IO/SPEEDY_PM__INST/PM__2V4 on Top Layer, In1.Cu: 158.48,108 160.88,108 160.88,109.5 158.48,109.5
/TOP_LEVEL_IO/SPEEDY_PM__INST/PM__2V4 on In1.Cu: 158.48,108 160.88,108 160.88,110.6 167.77,110.6 167.77,116.2 164.77,116.2 164.77,111.5 158.47,111.5
/TOP_LEVEL_IO/SPEEDY_PM__INST/PM__5V_CONN on Top Layer: 85.97,108.4 85.97,116.5 88.88,116.5 88.88,108.4
/TOP_LEVEL_IO/SPEEDY_PM__INST/PM__5V_PGA on Top Layer: 179.18,116.3 183.98,116.3 183.98,107.9 179.18,107.9
/TOP_LEVEL_IO/SPEEDY_PM__INST/PWR/PWR_VIN on Top Layer: 18.38,8.29 17.16,8.29 17.06,8.19 17,8.14 16.16,8.14 16.16,6.06 11.36,6.07 11.36,8.77 17.23,8.77 17.38,8.62 18.38,8.62
/TOP_LEVEL_IO/SPEEDY_PM__INST/PWR/PWR_VIN on Top Layer: 188.46,103.1 188.46,104.11 189.03,104.68 189.03,105.3 190.63,105.3 190.63,110.13 187.98,110.13 187.98,104.25 188.13,104.1 188.13,103.1
